# Altium PCB WatchX_Pro.PcbDoc (part 1 of 2)
Units mm, origin at the board's own origin, x right, y up, seen from the top; angles counter-clockwise.
Board outline 36.25 x 48.75 mm, 2 copper layers (Top Layer, Bottom Layer); 83 components, 60 nets, 314 pads, 112 vias.
Unrouted connection lines stored in the file: 11.
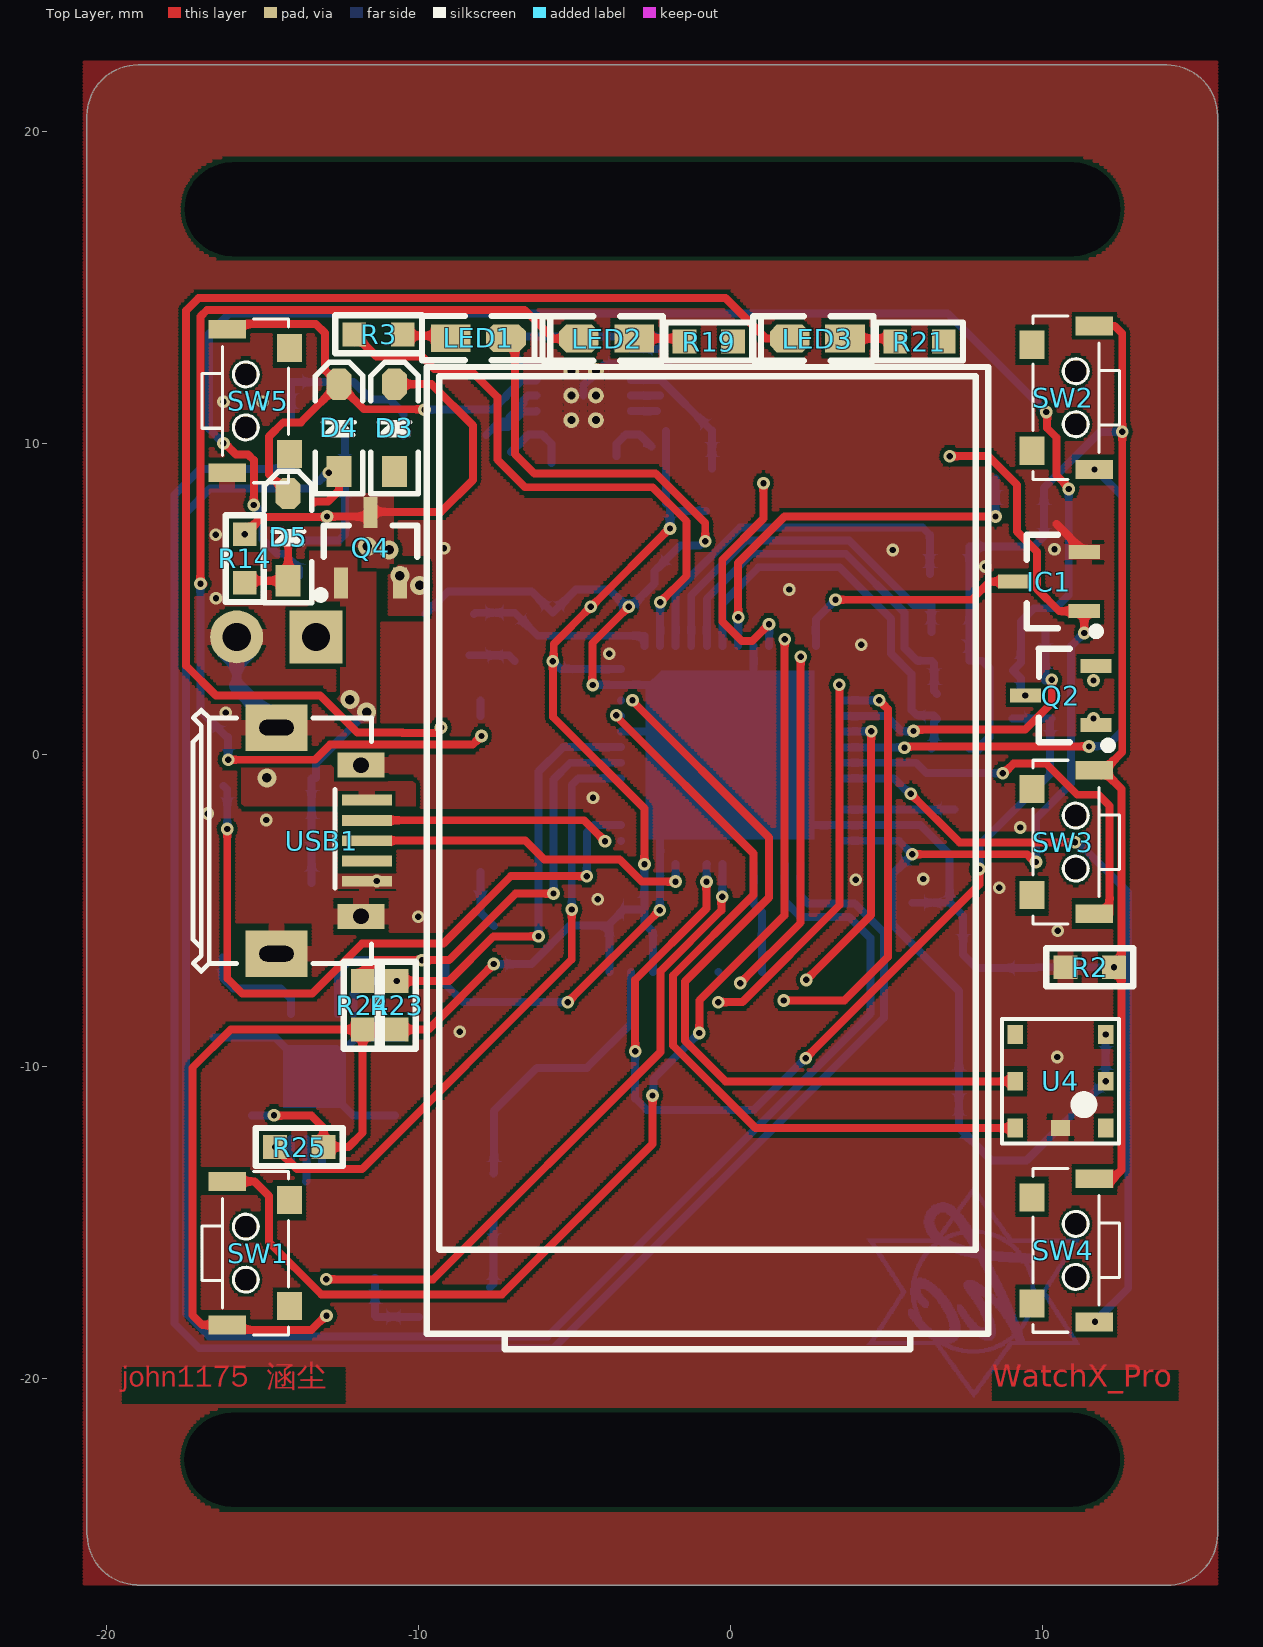
[diagram p0: Top Layer view]
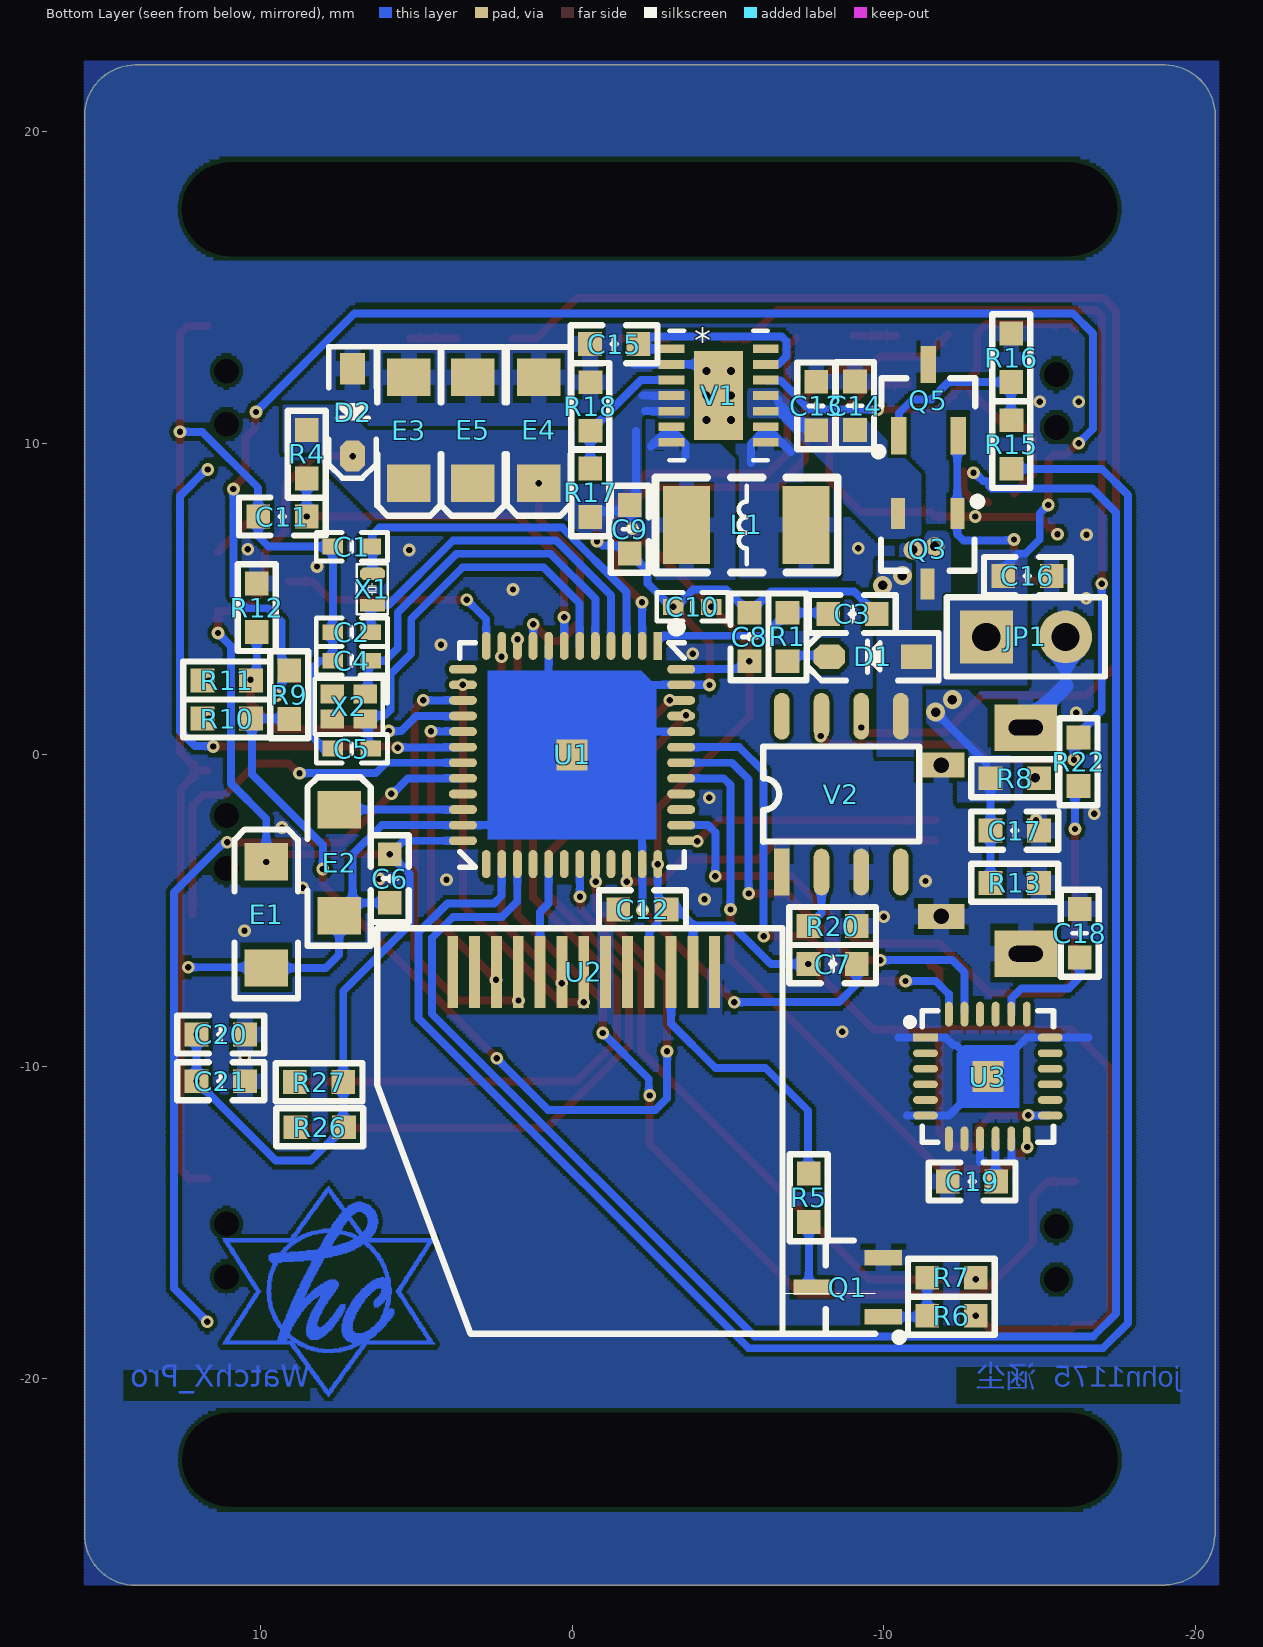
[diagram p1: Bottom Layer view, seen from below]

## Layer stack, top to bottom
Top Solder: solder mask 0.0102, Solder Resist, Dk 3.5
Top Layer: signal copper 0.0356
Dielectric 1: dielectric 0.32, FR-4, Dk 4.8
Bottom Layer: signal copper 0.0356
Bottom Solder: solder mask 0.0102, Solder Resist, Dk 3.5

## Board outline
-20.613,-25.058 cw(c-20.5,-25) -20.627,-25 -20.627,20.5 cw(c-20.5,20.5) -20.627,20.505 cw(c-19,20.5) -19,22.127 14,22.127 cw(c14,20.5) 15.627,20.5 15.627,-25 cw(c14,-25) 14,-26.627 -18.987,-26.627 cw(c-18.987,-26.5) -19.044,-26.614 cw(c-19,-25)

## Design rules (kind name [scope] priority, off if disabled: settings)
Clearance [All] p1: gap=0.127 ignorepadtopadclearanceinfootprint=TRUE except(0: Arc-Text Arc-Hole Track-Text Track-Hole SMDPad-THPad SMDPad-Text SMDPad-Hole THPad-Text THPad-Hole Via-Text Via-Hole Fill-Text Fill-Hole Poly-Text Poly-Hole Region-Text Region-Hole Text-Text Text-Hole)
PlaneClearance [All] p1: clearance=0.254
PlaneConnect [All] p1: pad.planeconnectstyle=Relief pad.reliefexpansion=0.127 pad.reliefentries=4 pad.reliefconductorwidth=0.508 pad.reliefairgap=0.127 via.planeconnectstyle=Direct via.reliefexpansion=0.127 via.reliefentries=4 via.reliefconductorwidth=0.508 via.reliefairgap=0.127
PolygonConnect 3.3V [InNet('3.3V')] p1: connectstyle=Direct reliefconductorwidth=0.254 reliefentries=4 polygonreliefangle="90 Angle" airgapwidth=0.254
PolygonConnect USB_VCC [InNet('USB_VCC')] p2: connectstyle=Direct reliefconductorwidth=0.254 reliefentries=4 polygonreliefangle="90 Angle" airgapwidth=0.254
PolygonConnect BAT [InNet('BAT')] p3: connectstyle=Direct reliefconductorwidth=0.254 reliefentries=4 polygonreliefangle="90 Angle" airgapwidth=0.254
PolygonConnect NetD3_2 [InNet('NetD3_2')] p4: connectstyle=Direct reliefconductorwidth=0.254 reliefentries=4 polygonreliefangle="90 Angle" airgapwidth=0.254
PolygonConnect VCC [InNet('VCC')] p5: connectstyle=Direct reliefconductorwidth=0.254 reliefentries=4 polygonreliefangle="90 Angle" airgapwidth=0.254
PolygonConnect [All] p6: thpad.connectstyle=Relief thpad.reliefconductorwidth=0.508 thpad.reliefentries=4 thpad.polygonreliefangle="90 Angle" thpad.airgapwidth=0.127 smdpad.connectstyle=Relief smdpad.reliefconductorwidth=0.508 smdpad.reliefentries=4 smdpad.polygonreliefangle="90 Angle" smdpad.airgapwidth=0.127 via.connectstyle=Direct via.reliefconductorwidth=0.508 via.reliefentries=4 via.polygonreliefangle="90 Angle" via.airgapwidth=0.254
RoutingVias [All] p1: holewidth=0.203 width=0.406 viastyle="Through Hole" minholewidth=0.203 minwidth=0.406 maxholewidth=0.305 maxwidth=0.61
SolderMaskExpansion [All] p1: expansion=0.102
UnRoutedNet [All] p1: checkbadconnections=TRUE
Width [All] p1: maxlimit=0.508 minlimit=0.254 preferedwidth=0.254 checkconnectedcopper=TRUE
27 further rules are at their usual default settings.

## Classes and differential pairs
component class Designator: D3 D4 D5 JP1 Q2 Q3 Q4 Q5 R8 R9 R10 R11 R12 R13 R14 R15 R16 SW5 USB1

## Components (designator, comment, footprint, x,y, rotation, side; value= is the part's Value field where it differs from the comment)
C1 "22pF" "C 0402_M" 7.061,6.68 r180 bottom
C2 "22pF" "C 0402_M" 7.061,3.937 r180 bottom
C3 "104" "C 0603_L" -8.992,4.521 r180 bottom
C4 "22pF" "C 0402_M" 7.059,3.023 r180 bottom
C5 "22pF" "C 0402_M" 7.059,0.203 r180 bottom
C6 "104" "C 0603_L" 5.842,-3.962 r90 bottom
C7 "104" "C 0603_L" -8.357,-6.706 r0 bottom
C8 "104" "C 0603_L" -5.69,3.785 r270 bottom
C9 "104" "C 0603_L" -1.854,7.239 r90 bottom
C10 "105" "C 0402_M" -3.861,4.75 r180 bottom
C11 "104" "C 0603_L" 9.286,7.645 r180 bottom
C12 "104" "C 0603_L" -2.261,-4.953 r0 bottom
C13 "106" "C 0603_L" -7.83,11.193 r90 bottom
C14 "106" "C 0603_L" -9.075,11.198 r90 bottom
C15 "104" "C 0603_L" -1.35,13.175 r180 bottom
C16 "106" "C 0603_L" -14.605,5.74 r180 bottom
C17 "106" "C 0603_L" -14.2,-2.425 r0 bottom
C18 "2.2nF" "C 0603_L" -16.281,-5.715 r90 bottom
C19 "104" "C 0603_L" -12.827,-13.676 r180 bottom
C20 "104" "C 0603_L" 11.265,-8.963 r0 bottom
C21 "104" "C 0603_L" 11.265,-10.463 r0 bottom
D1 "1N5819" SOD-323 -9.652,3.15 r0 bottom
D2 "MM3Z3V6" SOD-323 7.036,10.984 r270 bottom
D3 "1N5819" SOD-323 -10.77,10.49 r90 top
D4 "1N5819" SOD-323 -12.548,10.49 r90 top
D5 "1N5819" SOD-323 -14.173,6.985 r90 top
E1 "4.7uF/16V" "CD A(3216)" 9.804,-5.131 r270 bottom
E2 "4.7uF/16V" "CD A(3216)" 7.468,-3.454 r270 bottom
E3 "22uF/10V" "CD A(3216)" 5.232,10.414 r90 bottom
E4 "22uF/10V" "CD A(3216)" 1.067,10.414 r90 bottom
E5 "22uF/10V" "CD A(3216)" 3.179,10.414 r90 bottom
IC1 "TC1047/TC1047A" SOT23-3L 10.211,5.563 r90 top
JP1 "HDR-1X2" HDR2.54-LI-2P -14.554,3.785 r180 bottom
L1 "1.5uH" SMD,4.75x4.45x2mm -5.6,7.375 r0 bottom
LED1 "绿色" "LED 0603G" -8.077,13.36 r0 top
LED2 "红色" "LED 0603R" -3.962,13.36 r180 top
LED3 "蓝色" "LED 0603B" 2.794,13.36 r180 top
Q1 "SS8050" SOT23-3N -8.839,-17.069 r90 bottom
Q2 "CJ3401" SOT23-3L 10.592,1.905 r90 top
Q3 "CJ3401" SOT23-3L -11.405,6.604 r0 bottom
Q4 "CJ3401" SOT23-3L -11.532,6.655 r0 top
Q5 "SS8050" SOT23-3N -11.43,11.379 r180 bottom
R1 "1K" "R 0603_L" -6.909,3.785 r90 bottom
R2 "0R" "R 0603_L" 11.532,-6.807 r180 top
R3 "1K" "R 0603_L" -11.278,13.487 r180 top
R4 "47K" "R 0603_L" 8.509,9.642 r90 bottom
R5 "10R" "R 0603_L" -7.595,-14.199 r270 bottom
R6 "20K" "R 0603_L" -12.167,-17.983 r180 bottom
R7 "1K" "R 0603_L" -12.167,-16.764 r0 bottom
R8 "0R" "R 0603_L" -14.2,-0.748 r0 bottom
R9 "1M" "R 0603_L" 9.068,1.93 r270 bottom
R10 "1K" "R 0603_L" 11.074,1.168 r0 bottom
R11 "10K" "R 0603_L" 11.074,2.388 r180 bottom
R12 "10K" "R 0603_L" 10.109,4.724 r90 bottom
R13 "10K" "R 0603_L" -14.2,-4.102 r180 bottom
R14 "100K" "R 0603_L" -15.57,6.299 r270 top
R15 "1K" "R 0603_L" -14.09,9.953 r270 bottom
R16 "10K" "R 0603_L" -14.083,12.736 r90 bottom
R17 "1M" "R 0603_L" -0.584,8.407 r270 bottom
R18 "180K" "R 0603_L" -0.59,11.176 r270 bottom
R19 "2K" "R 0603_L" -0.686,13.259 r0 top
R20 "2K" "R 0603_L" -8.357,-5.486 r0 bottom
R21 "10K" "R 0603_L" 6.071,13.259 r0 top
R22 "2K" "R 0603_L" -16.242,-0.215 r270 bottom
R23 "10K" "R 0603_L" -10.693,-8.026 r270 top
R24 "10K" "R 0603_L" -11.786,-8.026 r270 top
R25 "10K" "R 0603_L" -13.818,-12.573 r180 top
R26 "4.7K" "R 0603_L" 8.088,-11.938 r180 bottom
R27 "4.7K" "R 0603_L" 8.113,-10.49 r180 bottom
SW1 "3x6x5" "TSW 4.6*1.82*3.5-S-W" -15.534,-15.977 r90 top
SW2 "3x6x5" "TSW 4.6*1.82*3.5-S-W" 11.08,11.455 r270 top
SW3 "3x6x5" "TSW 4.6*1.82*3.5-S-W" 11.08,-2.794 r270 top
SW4 "3x6x5" "TSW 4.6*1.82*3.5-S-W" 11.08,-15.887 r270 top
SW5 "3x6x5" "TSW 4.6*1.82*3.5-S-W" -15.534,11.354 r90 top
U1 "STM32F411CEU6" "QFN48 7X7_N" 0,0 r0 bottom
U2 "IPS-LCD" 1.14IPS-LCD -18.126,-12.16 r270 top
U3 "MPU6050" "QFN24 4x4_L" -13.335,-10.312 r270 bottom
U4 "BMP180" LGA-7 10.592,-10.463 r270 top
USB1 "USB-5P" USB-MICRO_A -14.55,-2.75 r270 top
V1 "TPS63020" "VSON - 14" -2.541,13.684 r180 bottom
V2 "TP4056" SOP8_L -8.636,-1.255 r90 bottom
X1 "32.768kHz" "OSC 1016-2P" 6.401,5.309 r270 bottom
X2 "25MHz" "OSC 1612-4P" 7.159,1.556 r0 bottom

## Footprints (in the part's own frame and the unit in brackets; to place one, negate y for a bottom-side part, rotate by r counter-clockwise, add the part's x,y. Pads: shape width x height; smd on the part's side, far side on the other; paste and mask are expansions set on the pad)
1.14IPS-LCD [mm] "1.14寸IPS-LCD裸屏SPI接口"
  rect 2.3x0.35 smd far side: 1(-5.2,21.95) 2(-5.2,21.25) 3(-5.2,20.55) 4(-5.2,19.85) 5(-5.2,19.15) 6(-5.2,18.45) 7(-5.2,17.75) 8(-5.2,17.05) 9(-5.2,16.35) 10(-5.2,15.65) 11(-5.2,14.95) 12(-5.2,14.25) 13(-5.2,13.55)
  silkscreen extent -24.6,8.4 6.9,26.4
"C 0402_M" [mil] "无极性贴片电容"
  rect 26x20 smd: 1(-24,0) 2(24,0)
  silkscreen extent -45,-18 45,18, body extent -20,-10 20,10, height 21
"C 0603_L" [mil] "无极性贴片电容"
  rect 30x30 smd: 1(-30.59,0) 2(30.59,0)
  silkscreen extent -55,-24 55,24, body extent -31,-16 31,16, height 32
"CD A(3216)" [mm] "长3.2mm，宽1.6mm，厚1.6mm"
  rect 1.2x1.4 smd: 1(-1.7,0) 2(1.7,0)
  silkscreen extent -2.74,-1.02 2.67,1.02, body extent -1.6,-0.8 1.6,0.8, height 1.6
HDR2.54-LI-2P [mm] "排针，2脚"
  rect 1.7x1.7 hole 0.9: 1(-1.27,0)
  round 1.7 hole 0.9: 2(1.27,0)
  silkscreen extent -2.54,-1.27 2.54,1.27, body extent -2.54,-1.27 2.54,1.27, height 8.5
"LED 0603B" [mil] "蓝色0603LED"
  rect 50x35 smd: 1(-35,0.26)
  oct 50x35 smd: 2(35,0.26)
  silkscreen extent -71,-28 81,28, body extent -31,-16 32,16, height 24
"LED 0603G" [mil] "绿色0603LED"
  rect 50x35 smd: 1(-35,0.26)
  oct 50x35 smd: 2(35,0.26)
  silkscreen extent -71,-28 81,28, body extent -31,-16 32,16, height 18
"LED 0603R" [mil] "红色0603LED"
  rect 50x35 smd: 1(-35,0.26)
  oct 50x35 smd: 2(35,0.26)
  silkscreen extent -71,-28 81,28, body extent -31,-16 31,16, height 18
LGA-7 [mm]
  rect 0.6x0.5 smd: 1(1.5,1.45) 2(0,1.45) 3(-1.5,1.45) 4(-1.5,-1.45) 5(0,-1.45) 6(1.5,-1.45)
  rect 0.5x0.6 smd: 7(1.5,0)
  silkscreen extent -2,-1.88 2,1.87
"OSC 1016-2P" [mm] "1.6*1.0*0.5mm(长宽高)"
  oct 0.4x0.8 smd: 1(-0.5,0)
  rect 0.4x0.8 smd: 2(0.5,0)
  silkscreen extent -0.8,-0.5 0.8,0.5
"OSC 1612-4P" [mm] "1.6*1.2*0.35mm（长宽高）"
  rect 0.75x0.6 smd: 1(-0.525,-0.4) 2(0.525,-0.4) 3(0.525,0.4) 4(-0.525,0.4)
  silkscreen extent -1.22,-0.99 1.09,0.89, body extent -0.8,-0.6 0.8,0.6, height 0.35
"QFN24 4x4_L" [mm] "24脚，长x宽x高：4x4x1mm，脚距：0.5mm"
  rect 0.25x0.8 smd: 1(-1.25,-2)
  oval 0.25x0.8 smd: 2(-0.75,-2) 3(-0.25,-2) 4(0.25,-2) 5(0.75,-2) 6(1.25,-2) 13(1.25,2) 14(0.75,2) 15(0.25,2) 16(-0.25,2) 17(-0.75,2) 18(-1.25,2)
  oval 0.8x0.25 smd: 7(2,-1.25) 8(2,-0.75) 9(2,-0.25) 10(2,0.25) 11(2,0.75) 12(2,1.25) 19(-2,1.25) 20(-2,0.75) 21(-2,0.25) 22(-2,-0.25) 23(-2,-0.75) 24(-2,-1.25)
  rect 1x1 smd: 25(0,0)
  Top Layer region: -1,1 1,1 1,-1 -0.75,-1 -1,-0.75
  silkscreen extent -2.11,-2.6 2.11,2.11, body extent -2.01,-2.01 2.01,2.01, height 0.95
"QFN48 7X7_N" [mm] "48脚，长x宽x高：7x7x1mm，脚距：0.5mm"
  rect 0.28x0.9 smd: 1(-2.75,-3.5)
  oval 0.28x0.9 smd: 2(-2.25,-3.5) 3(-1.75,-3.5) 4(-1.25,-3.5) 5(-0.75,-3.5) 6(-0.25,-3.5) 7(0.25,-3.5) 8(0.75,-3.5) 9(1.25,-3.5) 10(1.75,-3.5) 11(2.25,-3.5) 12(2.75,-3.5) 25(2.75,3.5) 26(2.25,3.5) 27(1.75,3.5) 28(1.25,3.5) 29(0.75,3.5) 30(0.25,3.5) 31(-0.25,3.5) 32(-0.75,3.5) 33(-1.25,3.5) 34(-1.75,3.5) 35(-2.25,3.5) 36(-2.75,3.5)
  oval 0.9x0.28 smd: 13(3.5,-2.75) 14(3.5,-2.25) 15(3.5,-1.75) 16(3.5,-1.25) 17(3.5,-0.75) 18(3.5,-0.25) 19(3.5,0.25) 20(3.5,0.75) 21(3.5,1.25) 22(3.5,1.75) 23(3.5,2.25) 24(3.5,2.75) 37(-3.5,2.75) 38(-3.5,2.25) 39(-3.5,1.75) 40(-3.5,1.25) 41(-3.5,0.75) 42(-3.5,0.25) 43(-3.5,-0.25) 44(-3.5,-0.75) 45(-3.5,-1.25) 46(-3.5,-1.75) 47(-3.5,-2.25) 48(-3.5,-2.75)
  rect 1x1 smd mask+0.051: 49(0,0)
  Top Layer region: -2.7,2.7 2.7,2.7 2.7,-2.7 -2.214,-2.7 -2.7,-2.214
  silkscreen extent -3.6,-4.25 3.6,3.6, body extent -3.51,-3.51 3.51,3.51, height 0.95
"R 0603_L" [mil] "1/10W贴片电阻"
  rect 30x30 smd: 1(-30.59,0) 2(30.59,0)
  silkscreen extent -55,-24 55,24, body extent -31,-16 31,16, height 16
SMD,4.75x4.45x2mm [mm] "4.75x4.45x2mm长宽高"
  rect 1.5x2.5 smd: 1(-1.905,0) 2(1.93,0)
  silkscreen extent -2.92,-1.52 2.92,1.52
SOD-323 [mm] "1.8x1.3X0.9mm（长宽高，不包括引脚）"
  rect 1x0.8 smd: 1(-1.4,0)
  oct 1x0.8 smd: 2(1.4,0)
  silkscreen extent -2.11,-0.76 2.11,0.76, body extent -1.34,-0.63 1.31,0.67, height 1
SOP8_L [mm] "5*6*1.8mm（长宽高）"
  rect 1.5x0.5 smd: 1(-2.5,1.905)
  oval 1.5x0.5 smd: 2(-2.5,0.635) 3(-2.5,-0.635) 4(-2.5,-1.905) 5(2.5,-1.905) 6(2.5,-0.635) 7(2.5,0.635) 8(2.5,1.905)
  silkscreen extent -1.52,-2.5 1.52,2.5, body extent -3,-2.5 3,2.5, height 1.9
SOT23-3L [mm] "3x1.3x1mm(长宽高)"
  rect 0.45x1 smd: 1(-0.95,-1.143) 2(0.95,-1.143) 3(0,1.125)
  silkscreen extent -1.72,-1.65 1.5,0.7, body extent -1.5,-1.2 1.5,1.2, height 1.05
SOT23-3N [mm] "3x1.3x1mm(长宽高)"
  rect 0.5x1.2 smd: 1(-0.95,-1.143) 2(0.95,-1.143) 3(0,1.143)
  silkscreen extent -1.72,-1.78 1.5,0.7, body extent -1.5,-1.2 1.5,1.2, height 1.05
"TSW 4.6*1.82*3.5-S-W" [mm] "侧立贴片4.6*1.82*3.5"
  rect 0.9x0.8 smd: 0(-1.7,-1.4) 0(1.7,-1.4)
  round 0 hole 0.8: 0(-0.85,0) 0(0.85,0)
  rect 0.6x1.2 smd: 1(2.3,0.6) 2(-2.3,0.6)
  silkscreen extent -2.63,-1.38 2.63,1.4
USB-MICRO_A [mm] "micro型USB ，5.7*7.8*2.5mm"
  rect 0.35x1.6 smd: 1(-1.3,2.9) 2(-0.65,2.9) 3(0,2.9) 4(0.65,2.9) 5(1.3,2.9)
  rect 1.5x2 hole 0.5 slot 1.1 at 90 deg: 5(-3.625,0) 5(3.625,0)
  rect 0.8x1.5 hole 0.5: 5(-2.425,2.71) 5(2.425,2.71)
  silkscreen extent -4.19,-2.67 4.19,3.05, body extent -4,-2.71 4,2.89, height 2.8
"VSON - 14" [mil]
  rect 32.28x11.02 smd: 1(25.55,-25.94) 2(25.55,-45.63) 3(25.55,-65.31) 4(25.55,-85) 5(25.55,-104.69) 6(25.55,-124.37) 7(25.55,-144.06) 8(144.45,-144.06) 9(144.45,-124.37) 10(144.45,-104.68) 11(144.45,-85) 12(144.45,-65.31) 13(144.45,-45.63) 14(144.45,-25.94)
  rect 62.2x112.2 smd: 15(85,-85)
  round 20 hole 10 mask-1000: 16(69.5,-116) 17(69.5,-85) 18(69.5,-54) 19(100.5,-116) 20(100.5,-85) 21(100.5,-54)
  silkscreen extent 23,-167 147,-3, body extent 26,-164 144,-6, height 39

## Part data
C1 C2 C3 C4 C5 C6 C7 C8 C9 C10 C11 C12 C13 C14 C15 C16 C17 C18 C19 C20 C21: library part C, "无极性贴片电容", 学习资源=https://
D1 D3 D4 D5: "肖特基二极管"
D2: "3.6V/0.3W稳压管"
E1 E2 E3 E4 E5: library part C-CD, "贴片钽电容", 学习资源=https://
IC1: "温度传感器 温度=(电压-500mV)÷10，测温范围-40℃~125℃"
JP1: library part "Header 2", "2P接插件"
L1: library part L-CD, "贴片功率电感", 学习资源=https://
LED1 LED2 LED3: library part LED-SMD, "贴片LED"
Q1 Q5: library part 8050-SMD, "高频放大-NPN型 丝印J3Y", 属性="40V 1.5A 1"
Q2 Q3 Q4: "P沟道 30V/4.2A"
R1 R2 R3 R4 R5 R6 R7 R8 R9 R10 R11 R12 R13 R14 R15 R16 R17 R18 R19 R20 R21 R22 R23 R24 R25 R26 R27: library part R, "贴片电阻", 学习资源=https://
SW1 SW2 SW3 SW4 SW5: library part "TSW 3x6", "3x6轻触开关"
U1: "ARM Cortex-M4 32-bit MCU+FPU, 105 DMIPS, 256 kB Flash, 64 kB Internal RAM, 36 I/Os, 48-pin UFQFPN, -40 to 85 degC, Tray", I/Os (High Current)=36, Manufacturer=STMicroelectronics, Operating Frequency(F) (Processor speed) (MHz)=84, PartNumber=STM32F401CCU6, Supplier Part Number 1=19X6217, Supply Voltage(Vcc) max (V)=3.6, Supply Voltage(Vcc) min (V)=1.8, ComponentLink1Description="Manufacturer URL", ComponentLink1URL=http://www.st.com/web/en/home.html, ComponentLink2Description=Datasheet, ComponentLink2URL=http://www.st.com/st-web-ui/static/active/en/resource/technical/document/data_brief/DM00071938.pdf, ComponentLink3Description="Package Specification", ComponentLink3URL=http://www.st.com/st-web-ui/static/active/en/resource/technical/document/data_brief/DM00071938.pdf, Core="ARM Cortex-M4", DatasheetVersion="Rev. 1", FLASH Size (Prog) (kB)=256, Internal RAM Size (kB)=64, Mounting Technology="Surface Mount", PackageDescription="48-Pin Ultra Thin Fine Pitch Quad Flat No-Lead, 7 x 7 x 0.6 mm Body, 0.5 mm Pitch, Exposed Pad", PackageReference=UFQFPN48, PackageVersion="Rev. 1, 04/2013", Packing=Tray, Supplier 1=Newark, Supplier 2=Mouser, Supplier Part Number 2=511-STM32F401CCU6
U2: library part IPS-LCD-1.14, "IPS-LCD-1.14寸裸屏spi接口"
U3: "数字运动传感器"
U4: "气压传感器Pressure Sensor 4.35PSI ~ 15.95PSI _30kPa ~ 110kPa_ Absolute 16 ~ 19 b 7-VLGA", Package="VLGA-7 Bosch Sensortec", Digi-Key_Part_Number=828-1027-1-ND, Digi-Key_Purchase_URL=https://www.digikey.com/product-detail/en/bosch-sensortec/BMP180/828-1027-1-ND/2688260?utm_source=snapeda&utm_medium=aggregator&utm_campaign=symbol, MF="Bosch Sensortec", MP=BMP180, SnapEDA_Link=https://www.snapeda.com/parts/BMP180/Bosch%20Sensortec/view-part/587596/?ref=snap
USB1: "微型USB母座"
V1: "单电感器降压/升压转换器   High Efficiency Single Inductor Buck-Boost Converter with 4A Switch"
V2: "锂电池充电管理"
X1: library part XTAL-2P, "2脚无源脚晶振"
X2: library part XTAL-MC-4P, "MC系列4脚晶振"

## Free pads (board coordinates)
  round 0 hole 3 slot 30 at 0 deg: 6(-2.5,-22.6) 6(-2.489,17.5)

## Via types
v1: diameter 0.406, hole 0.203, Top Layer to Bottom Layer, tented both sides, 105 vias
v2: diameter 0.61, hole 0.305, Top Layer to Bottom Layer, tented both sides, 7 vias

## Nets (pads, with @x,y where several pads share a name; then routed paths per layer and width w, separated by ;. In a path a pad name is that pad's centre, name@x,y a point inside that pad or via, vN(x,y) a via of type N, cw(c..) or ccw(c..) an arc to the next point about the centre after c; other vN are vias at no path point)
3.3V: C6.2 C7.2 C8.2 C9.2 C10.2 C12.1 C20.2 C21.2 D2.2 E1.1 E3.1 E4.1 E5.1 IC1.1 R4.2 R6.2 R17.2 R23.2 R24.2 R25.1 R26.2 R27.2 SW1.2 U1.9 U1.24 U1.36 U1.48 U2.10 U2.12 U3.13 U4.2 U4.3 V1.4 V1.5 | length 112.1
  Top Layer w0.254: v1(-14.63,-11.557) -14.62,-11.567 -13.426,-11.567 -13.041,-11.953 R25.1@-13.041,-12.573 -12.243,-12.573 -11.786,-12.116 R24.2@-11.786,-8.803 ; v1(-12.944,-17.983) -12.975,-17.983 -13.432,-18.44 -15.97,-18.44 SW1.2@-16.134,-18.277 -16.928,-18.277 -17.247,-17.958 -17.247,-10.033 -16.017,-8.803 R24.2@-11.786,-8.803 ; v1(-7.58,-6.706) -9.677,-8.803 R23.2@-10.693,-8.803 R24.2@-11.786,-8.803 ; v1(-2.75,-3.5) -2.75,-1.714 -5.688,1.224 v1(-5.688,3.01) -5.658,3.039 -5.658,3.562 v1(-4.468,4.752) -4.456,4.752 -1.943,7.264 v1(-1.93,7.264) ; v1(1.067,8.714) 1.067,7.581 -0.254,6.26 -0.254,4.281 0.369,3.658 0.709,3.658 v1(1.242,4.191) ; v1(5.842,-3.185) 5.843,-3.184 9.516,-3.184 9.763,-3.431 v1(9.804,-3.431) ; v1(7.036,9.584) 8.272,9.584 9.195,8.661 9.195,7.163 9.84,6.518 9.84,5.324 10.551,4.613 IC1.1@11.354,4.613 v1(11.354,3.912)
  Bottom Layer w0.254: U3.13@-15.335,-11.562 -15.333,-11.56 -14.634,-11.56 v1(-14.63,-11.557) ; v1(-7.58,-6.706) -6.375,-6.706 -5.134,-5.464 -3.876,-5.464 ; C8.2@-5.69,3.008 -5.436,2.754 -3.504,2.754 U1.48@-3.5,2.75 ; U2.12@-3.876,-6.96 -3.876,-5.464 ; V1.5@-3.19,11.025 -2.343,11.025 ; V1.4@-3.19,11.525 -2.255,11.525 ; v1(-2.75,-3.5) C12.1@-2.75,-4.953 ; U2.10@-2.476,-6.96 -2.476,-5.678 -2.75,-5.403 C12.1@-2.75,-4.953 ; C9.2@-2.052,8.062 -2.052,10.386 ; v1(-1.93,7.264) C9.2@-1.93,7.94 ; C9.2@-1.661,7.823 R17.2@-0.777,7.823 ; v1(1.242,4.191) 1.246,4.187 1.246,3.504 U1.9@1.25,3.5 ; U1.24@3.5,-2.75 5.407,-2.75 v1(5.842,-3.185) 5.207,-3.82 5.207,-5.437 7.336,-7.566 R27.2@7.336,-10.49 R26.2@7.336,-11.913 ; R26.2@7.311,-11.938 8.377,-13.005 9.5,-13.005 v1(12.042,-10.463) v1(12.042,-8.963) ; v1(9.804,-3.431) 9.804,-2.046 10.932,-0.917 10.932,3.49 v1(11.354,3.912) ; -3.876,-5.464 -3.876,-5.425 -3.404,-4.953 C12.1@-3.038,-4.953 C12.1@-2.75,-4.953
BAT: C16.1 D1.1 JP1.1 Q2.3 Q4.2 R9.1 V2.5 | length 48.5
  Top Layer w0.254: v1(-16.25,10) -16.209,10 -15.847,9.639 -15.459,9.639 -15.275,9.454 v1(-15.275,8.016) ; v1(10.135,11) 10.164,10.971 10.164,10.481 10.469,10.175 10.469,8.96 10.858,8.572 v1(10.858,8.53)
  Bottom Layer w0.254: v1(-16.25,10) -16.707,10.457 -16.707,13.512 -16.057,14.163 6.972,14.163 v1(10.135,11) ; v1(-15.275,8.016) -15,7.741 -15,6.915 -14.536,6.452 -14.299,6.452 -13.828,5.981 C16.1@-13.828,5.74 ; v1(9.467,1.905) 9.467,1.946 9.322,2.091 9.322,2.453 R9.1@9.068,2.707 9.322,2.961 9.322,4.281 9.746,4.705 10.434,4.705 10.858,5.129 v1(10.858,8.53)
  other v2: -9.96,5.436 -10.592,5.75
BAT_CHG: R22.2 U1.38 | length 22.1
  Top Layer w0.254: v1(-16.129,-2.375) -16.129,-7.163 -15.646,-7.645 -13.402,-7.645 -11.802,-6.045 -9.195,-6.045 -7.036,-3.886 v1(-4.597,-3.886)
  Bottom Layer w0.254: R22.2@-16.242,-0.992 -16.129,-1.105 v1(-16.129,-2.375) ; v1(-4.597,-3.886) -4.597,-2.478 -4.365,-2.245 -3.505,-2.245 U1.38@-3.5,-2.25
BAT_CTRL: R9.2 R10.1 U1.32 | length 30.2
  Top Layer w0.254: v1(-3.048,-9.5) -3.048,-7.208 -0.762,-4.922 v1(-0.762,-4.064) ; v1(2.418,-9.728) 7.991,-4.155 v1(7.991,-3.658)
  Bottom Layer w0.254: v1(-3.048,-9.5) -3.048,-11.01 -2.679,-11.379 0.767,-11.379 v1(2.418,-9.728) ; v1(-0.762,-4.064) -0.755,-4.057 -0.755,-3.505 U1.32@-0.75,-3.5 ; v1(7.991,-3.658) 7.991,-2.89 10.262,-0.62 R10.1@10.262,1.133 ; R9.2@9.057,1.168 10.262,1.168 R10.1@10.262,1.133 ; R10.1@10.297,1.168 R10.1@10.262,1.133
BAT_DET: R11.2 R12.1 U1.16 | length 9.7
  Top Layer w0.254: v1@5.878,0.815 9.461,0.815 10.312,1.666 v1@10.312,2.39
  Bottom Layer w0.254: U1.16@3.5,1.25 3.503,1.247 4.994,1.247 5.475,0.766 v1(5.878,0.766) 5.913,0.766 v1@5.955,0.724 ; R11.2@10.094,2.388 10.109,2.403 R12.1@10.109,3.947
  other v1: 10.312,2.413
BMP180_SCL: R26.1 U1.45 U4.6 | length 25.6
  Top Layer w0.254: v1@-3.67,1.257 0.75,-3.163 0.75,-4.488 -1.829,-7.067 -1.829,-9.322 0.814,-11.965 U4.6@9.142,-11.965
  Bottom Layer w0.254: U1.45@-3.505,1.245 U1.45@-3.5,1.25
  other v1: -3.658,1.27
BMP180_SDA: R27.1 U1.46 U4.5 | length 25
  Top Layer w0.254: v1@-3.14,1.743 1.246,-2.643 1.246,-4.572 -1.448,-7.265 -1.448,-9.164 -0.147,-10.465 U4.5@9.142,-10.465
  Bottom Layer w0.254: U1.46@-3.505,1.745 U1.46@-3.5,1.75
  other v1: -3.132,1.75
EN: D4.2 D5.2 SW5.1 V1.12 | length 17.3
  Top Layer w0.254: SW5.1@-16.134,13.654 -15.964,13.823 -13.29,13.823 -12.995,13.528 -12.995,12.338 D4.2@-12.548,11.89 ; D5.2@-14.173,8.385 -14.788,8.999 -14.788,10.209 -14.329,10.668 -13.77,10.668 D4.2@-12.548,11.89 ; v1(-9.804,11.074) -9.815,11.085 -11.743,11.085 D4.2@-12.548,11.89
  Bottom Layer w0.254: v1(-9.804,11.074) -7.605,11.074 -7.195,11.484 -7.195,11.509 -6.693,12.012 -6.223,12.012 V1.12@-6.21,12.025
GND: C12.2 C13.2 C14.2 C15.1 C16.2 C17.1 C18.2 C19.1 C20.1 C21.1 D2.1 E3.2 E4.2 E5.2 IC1.2 JP1.2 Q1.2 Q5.3 R2.2 R12.2 R13.2 R16.2 R18.1 R20.1 SW5.2 U2.8 U2.13 U3.1 U3.6 U3.7 U3.8 U3.9 U3.11 U3.18 U3.25 U4.7 USB1.5 V1.2 V1.15 V1.16 V1.17 V1.18 V1.19 V1.20 V1.21 V2.1 V2.3 | length 20
  Top Layer w0.254: 10.462,7.404 IC1.2@11.354,6.513
  Bottom Layer w0.254: -16.563,-9.062 U3.18@-15.335,-9.062 -15.333,-9.064 -14.583,-9.064 U3.25@-13.335,-10.312 ; -15.824,2.222 JP1.2@-15.824,3.785 ; USB1.5@-14.484,0.882 USB1.5@-14.234,0.882 ; -14.087,-13.016 -14.087,-12.314 U3.11@-14.085,-12.312 ; U3.9@-13.085,-12.312 -13.083,-12.314 -13.083,-13.054 ; -10.745,-11.562 U3.6@-11.335,-11.562 -11.337,-11.56 -12.087,-11.56 U3.25@-13.335,-10.312 ; -10.476,-9.062 U3.1@-11.335,-9.062 -11.337,-9.064 -11.986,-9.064 -12.23,-9.308 -12.331,-9.308 U3.25@-13.335,-10.312 ; V1.15@-4.7,11.525 -4.7,11.862 -4.037,12.525 V1.2@-3.19,12.525 -2,12.525
  Bottom Layer w0.508: -15.824,2.222 USB1.5@-14.484,0.882
  other v1: 10.49,-9.685 -8.67,-8.875 10.503,-5.639 -10,-5.186 -4.25,-4.632 8.631,-4.259 -11.334,-4.043 4.025,-4 6.186,-3.975 9.3,-2.325 -14.879,-2.083 -16.75,-1.88 -4.4,-1.375 -16.175,1.35 -3.876,3.246 4.201,3.531 -16.49,5.029 1.893,5.309 8.175,6.045 5.217,6.572 10.4,6.6 -9.175,6.625 -16.5,7.061 -16.25,11.328 -15,11.328
KEY1: SW2.1 U1.18 | length 18.1
  Top Layer w0.254: v1(5.588,0.229) 5.629,0.229 5.673,0.273 v1(11.506,0.273)
  Bottom Layer w0.254: U1.18@3.5,0.25 3.505,0.245 5.572,0.245 v1(5.588,0.229) ; v1(11.506,0.273) 11.52,0.286 12.09,0.286 12.573,0.769 12.573,8.306 v1@11.702,9.177
  other v1: 11.68,9.155
KEY2: SW3.1 U1.19 | length 13
  Top Layer w0.254: v1(8.738,-0.584) 8.779,-0.584 9.084,-0.279 10.135,-0.279 11.13,-1.275 11.811,-1.275 12.167,-1.63 SW3.1@12.167,-5.094
  Bottom Layer w0.254: U1.19@3.5,-0.25 5.96,-0.25 6.294,-0.584 v1(8.738,-0.584)
KEY3: SW4.1 U1.20 | length 25
  Top Layer w0.254: v1(5.791,-1.245) 7.35,-2.803 v1(11.058,-2.803) v1@11.074,-2.819
  Bottom Layer w0.254: U1.20@3.5,-0.75 5.255,-0.75 5.75,-1.245 v1(5.791,-1.245) ; v1@11.074,-2.819 11.181,-2.819 12.766,-4.405 12.766,-17.101 v1@11.68,-18.187
  other v1: 11.7,-18.175
LED: R3.2 U1.2 | length 18.7
  Top Layer w0.254: R3.2@-12.055,13.487 -11.343,12.776 -9.886,12.776 -9.48,12.37 -8.357,12.37 -7.468,11.481 -7.468,9.474 -6.579,8.585 -2.489,8.585 -1.397,7.493 -1.397,5.75 v1(-2.245,4.902)
  Bottom Layer w0.254: U1.2@-2.25,3.5 -2.25,3.696 -2.247,3.699 -2.247,4.9 v1(-2.245,4.902)
MPU6050_INT: R25.2 U1.41 U3.12 | length 19.8
  Top Layer w0.254: v1(-14.595,-12.573) -13.892,-13.276 -11.802,-13.276 -5.08,-6.553 v1(-5.08,-4.953)
  Bottom Layer w0.254: v1(-5.08,-4.953) -5.08,-0.965 -4.865,-0.75 U1.41@-3.5,-0.75
MPU6050_SCL: R24.1 U1.42 U3.23 | length 17.7
  Top Layer w0.254: R24.1@-11.786,-7.249 -11.786,-6.96 -11.405,-6.579 v1(-9.881,-6.579) -9.012,-6.579 -6.879,-4.445 v1(-5.664,-4.445)
  Bottom Layer w0.254: U3.23@-12.585,-8.312 -12.585,-6.972 -12.192,-6.579 v1(-9.881,-6.579) ; v1(-5.664,-4.445) -5.664,-0.787 -5.127,-0.25 U1.42@-3.5,-0.25
MPU6050_SDA: R23.1 U1.43 U3.24 | length 16
  Top Layer w0.254: v1(-10.693,-7.249) -9.019,-7.249 -7.586,-5.817 v1(-6.147,-5.817)
  Bottom Layer w0.254: -12.085,-7.894 U3.24@-12.085,-8.312 -12.083,-8.31 -12.083,-7.894 -12.083,-7.672 -11.661,-7.249 v1(-10.693,-7.249) ; v1(-6.147,-5.817) -6.147,-0.533 -5.363,0.25 U1.43@-3.5,0.25
NetC3_1: C3.1 R1.2 U1.1 | length 6.1
  Bottom Layer w0.254: C3.1@-8.215,4.521 -8.174,4.562 R1.2@-6.909,4.562 -6.17,3.823 -2.763,3.823 -2.75,3.81 U1.1@-2.75,3.5
NetC15_2: C15.2 V1.1 V1.13 | length 7.3
  Bottom Layer w0.254: V1.13@-6.21,12.525 -6.223,12.538 -6.632,12.538 -6.874,12.78 -6.874,13.27 -6.725,13.419 -2.371,13.419 C15.2@-2.127,13.175 -2.277,13.025 V1.1@-3.19,13.025
NetC18_1: C18.1 U3.20 | length 3.6
  Bottom Layer w0.254: C18.1@-16.281,-6.492 -16.281,-7.137 -15.936,-7.483 -14.412,-7.483 -14.087,-7.808 -14.087,-8.31 U3.20@-14.085,-8.312
NetC19_2: C19.2 U3.10 | length 1.4
  Bottom Layer w0.254: C19.2@-13.604,-13.676 -13.585,-13.657 U3.10@-13.585,-12.312
NetD1_2: D1.2 R1.1 | length 1.5
  Bottom Layer w0.254: D1.2@-8.355,3.198 -7.099,3.198 R1.1@-6.909,3.008
NetD3_2: D3.2 Q3.3 Q4.3 R14.1 | length 12.7
  Top Layer w0.254: v1(-15.57,7.076) -15.015,7.631 -12.943,7.631 v1(-12.929,7.645) Q4.3@-11.63,7.645 ; Q4.3@-11.532,7.78 -11.514,7.798 -9.271,7.798 -8.25,8.819 -8.25,10.561 -9.579,11.89 D3.2@-10.77,11.89
  Bottom Layer w0.254: v1@-12.97,7.645 v1(-12.929,7.645)
  other v2: -10.934,6.579 -11.633,6.691
NetD5_1: D5.1 Q3.1 Q5.2 R14.2 | length 7.8
  Top Layer w0.254: R14.2@-15.507,5.585 D5.1@-14.173,5.585 v1(-14.173,6.909)
  Bottom Layer w0.254: v1@-14.215,6.883 -12.548,6.883 -12.355,7.076 Q3.1@-12.355,7.747 -12.355,10.211 Q5.2@-12.38,10.236
NetL1_1: L1.1 V1.8 V1.9 | length 2.3
  Bottom Layer w0.254: -7.025,9.72 -6.47,10.275 -6.2,10.275 -6.033,10.275 -5.734,9.976 -5.734,9.361
NetL1_2: L1.2 V1.6 V1.7 | length 1.8
  Bottom Layer w0.254: -3.646,9.579 -3.646,9.976 -3.347,10.275 -3.18,10.275 -2.91,10.275 -2.525,9.89
NetLED1_1: LED1.1 R3.1 | length 1.4
  Top Layer w0.254: R3.1@-10.398,13.443 LED1.1@-9.022,13.443
NetLED2_1: LED2.1 R19.1 | length 1.5
  Top Layer w0.254: LED2.1@-3.074,13.354 R19.1@-1.558,13.354
NetLED2_2: LED2.2 R22.1 V2.7 | length 36.2
  Top Layer w0.254: v1@-16.891,5.486 -16.988,5.583 -16.988,14.059 -16.772,14.275 -6.597,14.275 -5.676,13.354 LED2.2@-4.852,13.354 ; v1(-16.1,-0.152) -13.315,-0.152 -12.833,0.33 -8.255,0.33 v1(-7.976,0.61)
  Bottom Layer w0.254: v1(-16.988,5.486) -16.988,1.417 R22.1@-16.129,0.559 ; R22.1@-16.104,0.574 -16.1,0.57 v1(-16.1,-0.152) ; V2.7@-8.001,1.241 V2.7@-8.001,1.245 V2.7@-8.001,1.741
NetLED3_1: LED3.1 R21.1 | length 1.5
  Top Layer w0.254: LED3.1@3.683,13.354 R21.1@5.199,13.354
NetLED3_2: LED3.2 V2.6 | length 40.6
  Top Layer w0.254: v1(-9.271,0.882) -9.442,0.711 -10.506,0.711 -10.511,0.717 -11.96,0.717 -13.148,1.905 -16.49,1.905 -17.445,2.86 -17.445,14.254 -17.043,14.656 -0.152,14.656 1.15,13.354 LED3.2@1.905,13.354
NetQ1_1: Q1.1 R6.1 R7.2 | length 2.6
  Bottom Layer w0.254: R7.2@-11.39,-16.764 R6.1@-11.39,-17.983 -11.354,-18.019 Q1.1@-9.982,-18.019
NetQ1_3: Q1.3 R5.2 | length 2.1
  Bottom Layer w0.254: Q1.3@-7.696,-17.069 -7.595,-16.967 R5.2@-7.595,-14.976
NetQ2_1: Q2.1 R10.2
  other v1: 11.65,1.17
NetQ2_2: Q2.2 R11.1
  other v1: 11.65,2.39
NetQ5_1: Q5.1 R15.1 R16.1 | length 6
  Bottom Layer w0.254: R15.1@-14.076,10.73 -14.076,11.959 -12.076,11.959 -11.522,11.405 -10.928,11.405 -10.48,10.956 Q5.1@-10.48,10.236
NetR8_1: R8.1 USB1.1
  other v2: -14.859,-0.735
NetR17_1: R17.1 R18.2 V1.3 | length 4.5
  Bottom Layer w0.254: V1.3@-3.19,12.025 -2.216,12.025 R18.2@-0.59,10.399 -0.584,10.393 R17.1@-0.584,9.184
NetR20_2: R20.2 V2.2 | length 1.9
  Bottom Layer w0.254: V2.2@-8.001,-3.759 -8.001,-5.065 R20.2@-7.58,-5.486
OSC32_IN: C1.2 U1.3 X1.1 | length 12.1
  Bottom Layer w0.254: U1.3@-1.75,3.5 -1.75,5.229 0.311,7.29 6.172,7.29 6.401,7.061 X1.1@6.401,5.809
OSC32_OUT: C2.2 U1.4 X1.2 | length 11.7
  Bottom Layer w0.254: U1.4@-1.25,3.5 -1.25,5.119 0.515,6.883 3.81,6.883 5.885,4.809 X1.2@6.401,4.809 ; C2.2@6.452,3.937 X1.2@6.452,4.809
OSC_IN: C4.2 U1.5 X2.1 | length 12.5
  Bottom Layer w0.254: U1.5@-0.75,3.5 -0.75,5.008 0.694,6.452 3.703,6.452 5.588,4.567 5.588,3.429 5.994,3.023 C4.2@6.45,3.023 6.542,2.93 6.542,2.048 X2.1@6.634,1.956
OSC_OUT: C5.2 U1.6 X2.4 | length 13.1
  Bottom Layer w0.254: U1.6@-0.25,3.5 -0.245,3.505 -0.245,4.86 0.914,6.02 3.505,6.02 5.156,4.369 5.156,3.25 5.817,2.59 5.817,1.448 5.99,1.274 6.516,1.274 X2.4@6.634,1.156 6.542,1.063 6.542,0.296 C5.2@6.45,0.203
Power_EN: R15.2 U1.26 | length 65
  Bottom Layer w0.254: R15.2@-14.09,9.176 -16.986,9.176 -17.826,8.336 -17.826,-18.222 -17.023,-19.025 -5.664,-19.025 4.928,-8.433 4.928,-5.696 3.991,-4.759 2.499,-4.759 2.255,-4.516 2.255,-3.505 U1.26@2.25,-3.5
Power_ON: D4.1 U1.27 | length 65.8
  Top Layer w0.254: -13.335,8.103 -13.306,8.132 -12.899,8.132 -12.548,8.484 D4.1@-12.548,9.09 D4.1@-12.551,9.093
  Bottom Layer w0.254: v1(-12.875,9.05) -12.916,9.05 -13.176,8.79 -13.276,8.79 -13.366,8.7 -13.366,8.631 -13.455,8.541 -16.681,8.541 -17.445,7.777 -17.445,-17.916 -16.717,-18.644 -5.851,-18.644 4.496,-8.297 4.496,-5.875 3.812,-5.191 2.245,-5.191 1.755,-4.701 1.755,-3.505 U1.27@1.75,-3.5
RST: C11.2 R4.1 U1.7 | length 12.7
  Top Layer w0.254: v1(0.254,4.42) 0.254,6.157 1.742,7.645 v1(8.509,7.645)
  Bottom Layer w0.254: U1.7@0.25,3.5 0.252,3.502 0.252,4.418 v1(0.254,4.42) ; v1(8.509,7.645) R4.1@8.509,8.865
SWCLK: U1.37 USB1.2 | length 7.9
  Top Layer w0.254: USB1.2@-11.65,-2.093 -4.689,-2.093 v1(-4.013,-2.769)
  Bottom Layer w0.254: U1.37@-3.505,-2.755 U1.37@-3.5,-2.75
SWDIO: U1.34 USB1.3 | length 11
  Top Layer w0.254: USB1.3@-11.65,-2.743 -6.571,-2.743 -5.962,-3.353 -3.544,-3.353 -2.836,-4.06 v1(-1.753,-4.06)
  Bottom Layer w0.254: v1(-1.753,-4.06) -1.751,-4.059 U1.34@-1.75,-3.5 U1.34@-1.75,-3.5
Temperature: IC1.3 U1.12 | length 7.7
  Top Layer w0.254: v1(3.378,4.978) 7.747,4.978 8.331,5.563 IC1.3@9.086,5.563
  Bottom Layer w0.254: U1.12@2.75,3.5 2.75,4.35 v1(3.378,4.978)
TFT_BLK: R7.1 U1.31 | length 20.6
  Top Layer w0.254: v1@-12.954,-16.815 -9.525,-16.815 -2.235,-9.525 -2.235,-6.934 -0.283,-4.982 -0.283,-4.576 v1(-0.254,-4.547)
  Bottom Layer w0.254: v1@-0.25,-4.591 U1.31@-0.25,-3.5
  other v1: -12.952,-16.813
TFT_CS: U1.14 U2.7 | length 12.2
  Top Layer w0.254: v1(-0.381,-7.925) 0.391,-7.925 3.5,-4.816 v1(3.5,2.25)
  Bottom Layer w0.254: U2.7@-0.378,-6.962 U2.7@-0.376,-6.96
TFT_DC: U1.29 U2.5 | length 3.6
  Bottom Layer w0.254: U1.29@0.75,-3.5 0.75,-4.764 1.024,-5.038 U2.5@1.024,-6.96
TFT_LEDK: R5.1 U2.11 | length 9.2
  Bottom Layer w0.254: R5.1@-7.595,-13.422 -7.573,-13.4 -7.573,-11.408 -6.198,-10.033 -4.597,-10.033 -3.176,-8.611 U2.11@-3.176,-6.96
TFT_RES: U1.11 U2.6 | length 11.3
  Top Layer w0.254: v1(0.324,-7.315) 2.261,-5.379 v1(2.261,3.15)
TFT_SCL: U1.15 U2.4 | length 13.5
  Top Layer w0.254: v1(1.714,-7.874) 3.661,-7.874 5.055,-6.481 5.055,1.473 v1(4.775,1.753)
  Bottom Layer w0.254: U1.15@3.5,1.75 U1.15@3.5,1.75 4.774,1.751 v1(4.775,1.753)
TFT_SDA: U1.17 U2.3 | length 10.2
  Top Layer w0.254: v1(2.438,-7.214) 4.521,-5.131 v1(4.521,0.762)
  Bottom Layer w0.254: U1.17@3.786,0.738 3.774,0.75 U1.17@3.5,0.75 3.505,0.755 4.514,0.755 v1(4.521,0.762)
USB_VCC: C17.2 D3.1 Q4.1 R8.2 R13.1 R19.2 R21.2 V2.4 V2.8 | length 6.1
  Bottom Layer w0.254: R13.1@-13.423,-4.102 C17.2@-13.423,-2.425 R8.2@-13.423,-0.748 ; R8.2@-13.284,-0.737 -13.284,-0.254 v2(-11.659,1.372)
  other v2: -12.197,1.778
VCAP_1: E2.1 U1.22 | length 3.7
  Bottom Layer w0.254: U1.22@3.5,-1.75 7.184,-1.75 E2.1@7.188,-1.754
VCC: C13.1 C14.1 Q3.2 V1.10 V1.11 | length 3.6
  Bottom Layer w0.254: C13.1@-7.823,10.267 C13.1@-7.569,10.521 ; -7.219,10.693 -7.397,10.693 C13.1@-7.569,10.521 ; -7.085,10.827 -6.623,11.289 -6.623,11.382 -6.48,11.525 V1.11@-6.21,11.525 ; V1.10@-6.21,11.025 -6.223,11.012 -6.632,11.012 -7.123,10.521 C13.1@-7.569,10.521
VSS: C1.1 C2.1 C3.2 C4.1 C5.1 C6.1 C7.1 C8.1 C9.1 C10.1 C11.1 E1.2 E2.2 LED1.2 R2.1 SW2.2 SW3.2 SW4.2 U1.8 U1.23 U1.35 U1.44 U1.47 U1.49 | length 116.3
  Top Layer w0.254: LED1.2@-7.188,13.367 -6.902,13.081 -6.902,9.647 -6.28,9.025 -2.39,9.025 -0.8,7.435 v1(-0.8,6.85) ; v1(-5.207,-7.925) v1(-2.261,-4.978) ; v1@-4.42,2.235 -4.42,3.581 v1(-3.251,4.75) ; SW4.2@11.68,-13.587 12.271,-13.587 12.548,-13.31 12.548,-1.092 11.949,-0.494 SW3.2@11.68,-0.494 ; SW2.2@11.68,13.755 12.33,13.755 12.573,13.513 v1(12.573,10.363) 12.573,0.099 SW3.2@11.98,-0.494
  Bottom Layer w0.254: C3.2@-9.769,4.521 -9.042,5.247 -6.375,5.247 C8.1@-5.69,4.562 -4.943,5.309 -3.886,5.309 -3.327,4.75 v1(-3.251,4.75) -3.175,4.75 -2.425,5.5 -2.425,5.891 C9.1@-1.854,6.462 -1.6,6.716 -0.975,6.716 -0.841,6.85 v1(-0.8,6.85) ; C7.1@-9.134,-6.706 -9.134,-7.351 -8.56,-7.925 v1(-5.207,-7.925) ; v1@-4.42,2.235 v1(-4.41,2.245) -3.505,2.245 U1.47@-3.5,2.25 -2.25,2.25 -0.75,0.75 ; U1.44@-3.5,0.75 -0.75,0.75 ; v1(-2.261,-4.978) -2.255,-4.973 -2.255,-3.505 U1.35@-2.25,-3.5 -2.25,-2.25 U1.49@0,0 ; U1.8@0.75,3.5 0.75,0.057 0.716,0.022 -0.012,0.75 -0.75,0.75 ; C6.1@5.842,-4.739 E2.2@7.036,-4.739 ; C5.1@7.669,0.203 7.95,0.203 8.313,0.566 8.313,2.786 8.077,3.023 C4.1@7.669,3.023 ; C4.1@7.67,3.023 C2.1@7.671,3.937 ; C2.1@7.671,3.937 C1.1@7.671,6.68 9.728,6.68 10.063,7.015 C11.1@10.063,7.645 10.063,8.567 11.856,10.359 12.62,10.359 v1@12.649,10.389 ; v1(12.309,-6.807) 9.828,-6.807 E1.2@9.804,-6.831 7.898,-6.831 7.468,-6.401 E2.2@7.468,-5.154 7.053,-4.739 E2.2@7.036,-4.739 ; -0.75,0.75 U1.49@0,0 ; U1.49@0,0 2.25,-2.25 U1.23@3.5,-2.25 6.1,-2.25 7.036,-3.186 E2.2@7.036,-4.739
WKUP: SW1.1 U1.10 | length 36
  Top Layer w0.254: SW1.1@-16.134,-13.677 -15.254,-13.677 -14.788,-14.143 -14.788,-15.624 -13.114,-17.297 -7.315,-17.297 -2.489,-12.471 v1(-2.489,-10.922) ; v1(-0.991,-8.915) -0.991,-7.874 1.742,-5.141 v1@1.742,3.708
  Bottom Layer w0.254: v1@-2.464,-10.922 v1(-2.489,-10.922) -2.46,-10.893 -2.46,-10.385 v1(-0.991,-8.915)
  other v1: 1.75,3.708
pads on no net: SW1.0 SW2.0 SW3.0 SW4.0 SW5.0 U1.13 U1.21 U1.25 U1.28 U1.30 U1.33 U1.39 U1.40 U2.1 U2.2 U2.9 U3.2 U3.3 U3.4 U3.5 U3.14 U3.15 U3.16 U3.17 U3.19 U3.21 U3.22 U4.1 U4.4 USB1.4 V1.14 X2.2 X2.3